# Altium PCB main_MM.PcbDoc (part 1 of 2)
Units mil, origin at the board's own origin, x right, y up, seen from the top; angles counter-clockwise.
Board outline 3012.01 x 3916.34 mil, 2 copper layers (Top Layer, Bottom Layer), stack 57.918 mil thick; 150 components, 93 nets, 477 pads, 89 vias.
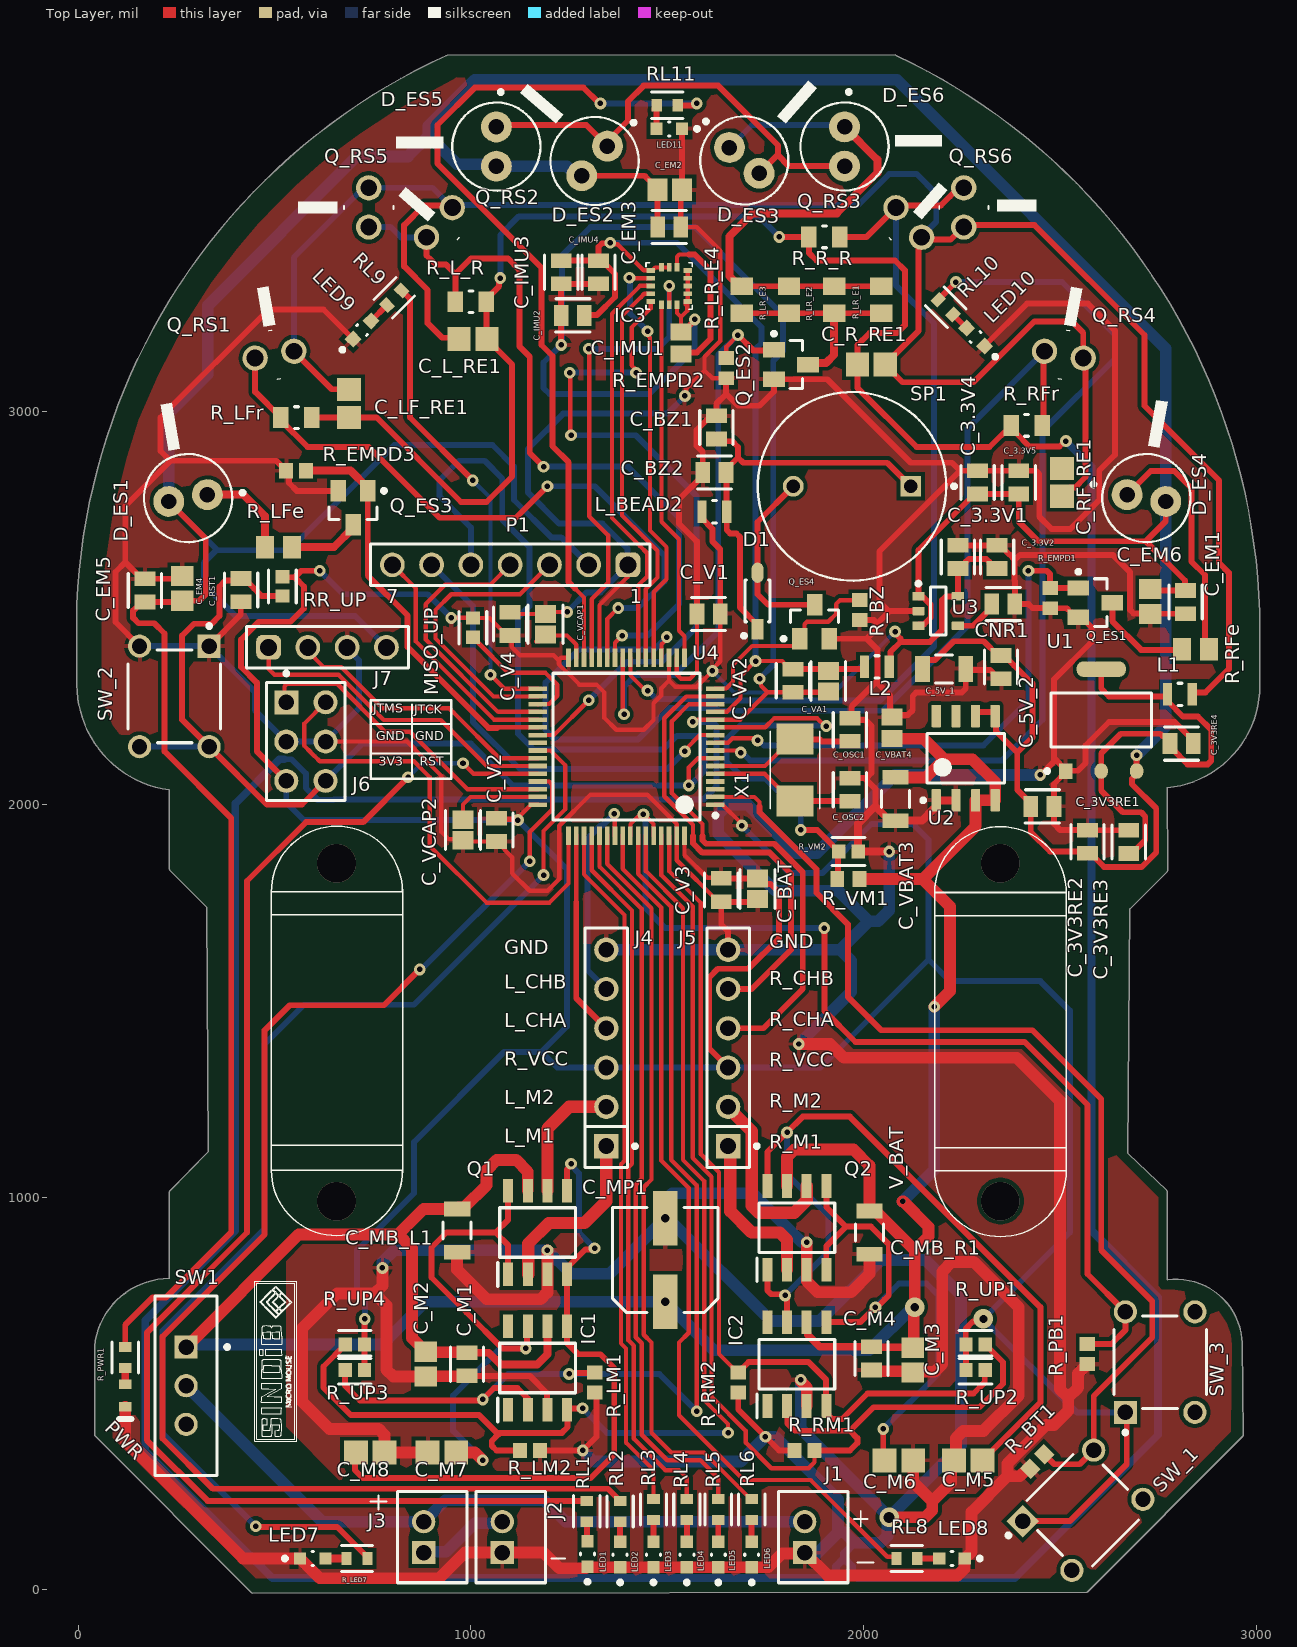
[diagram p0: Top Layer view]
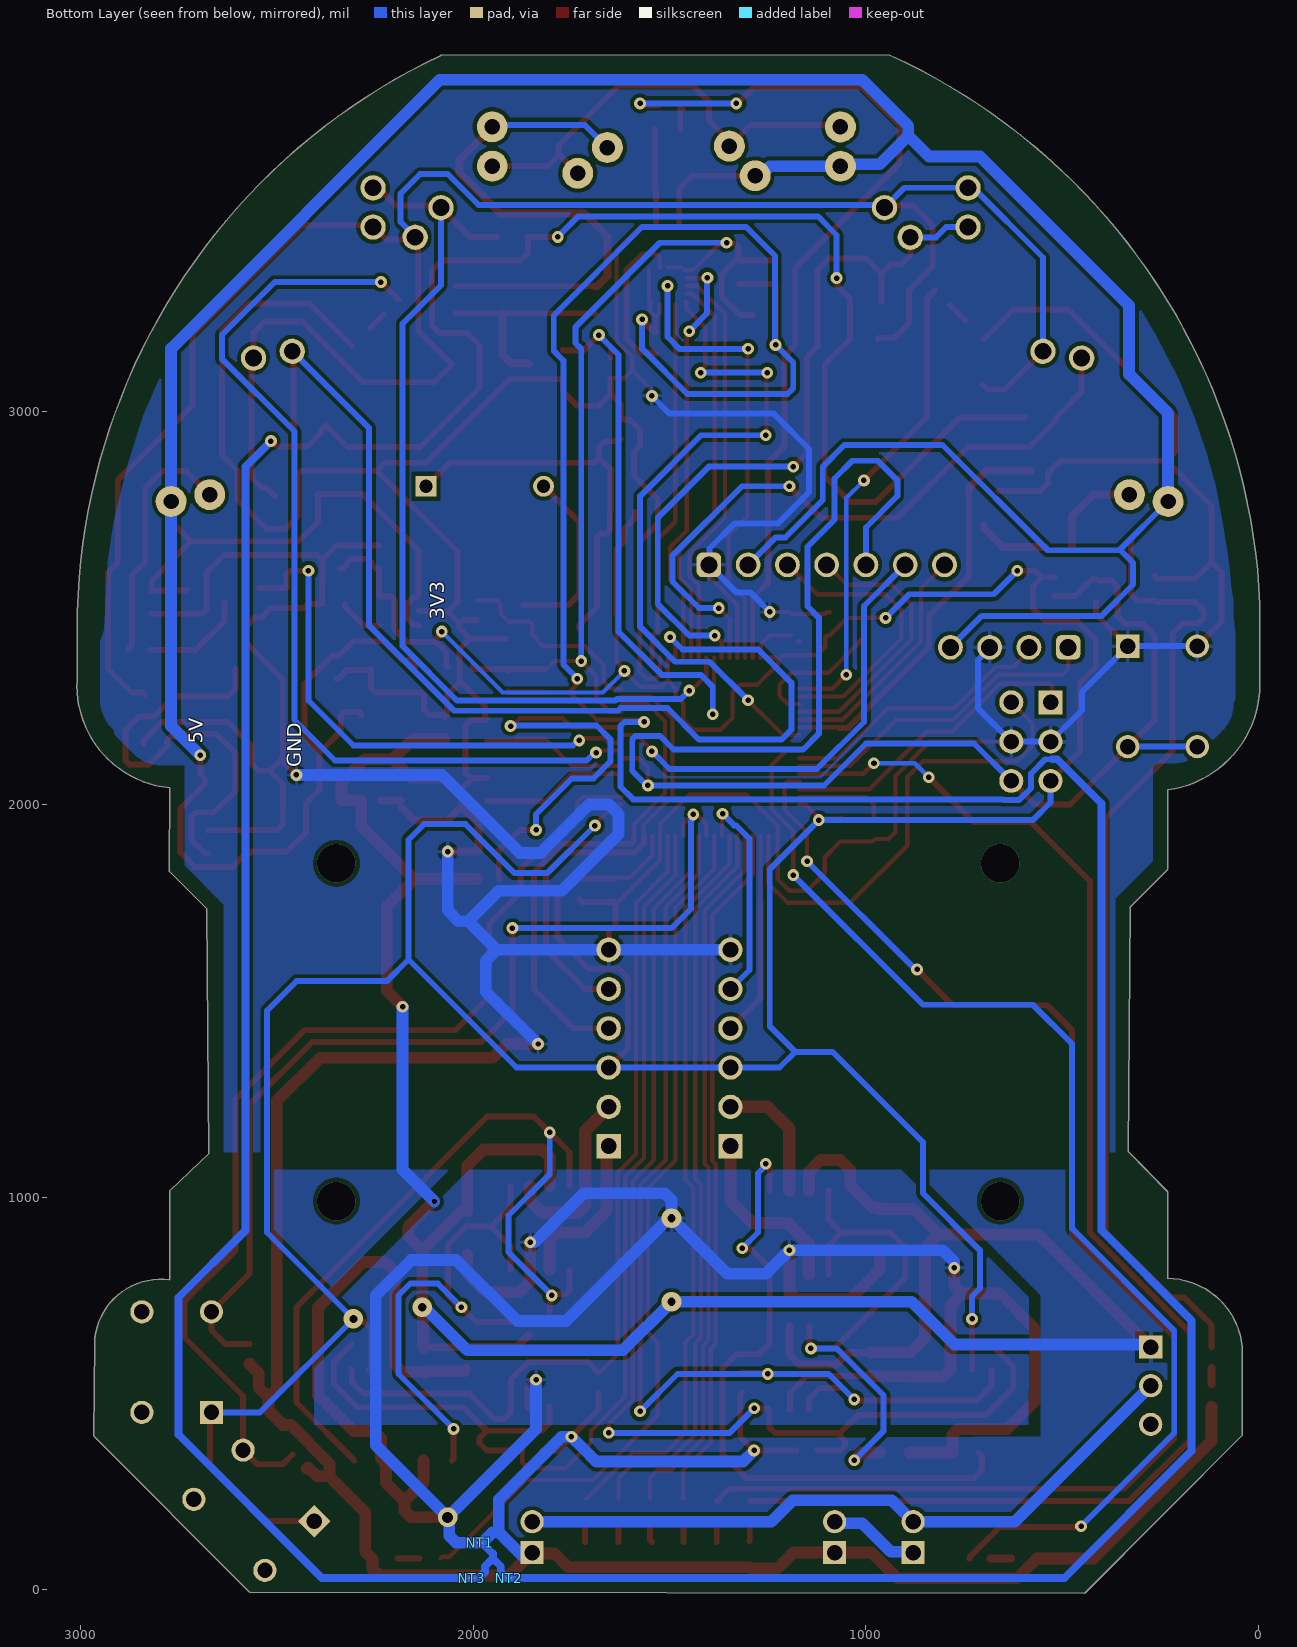
[diagram p1: Bottom Layer view, seen from below]
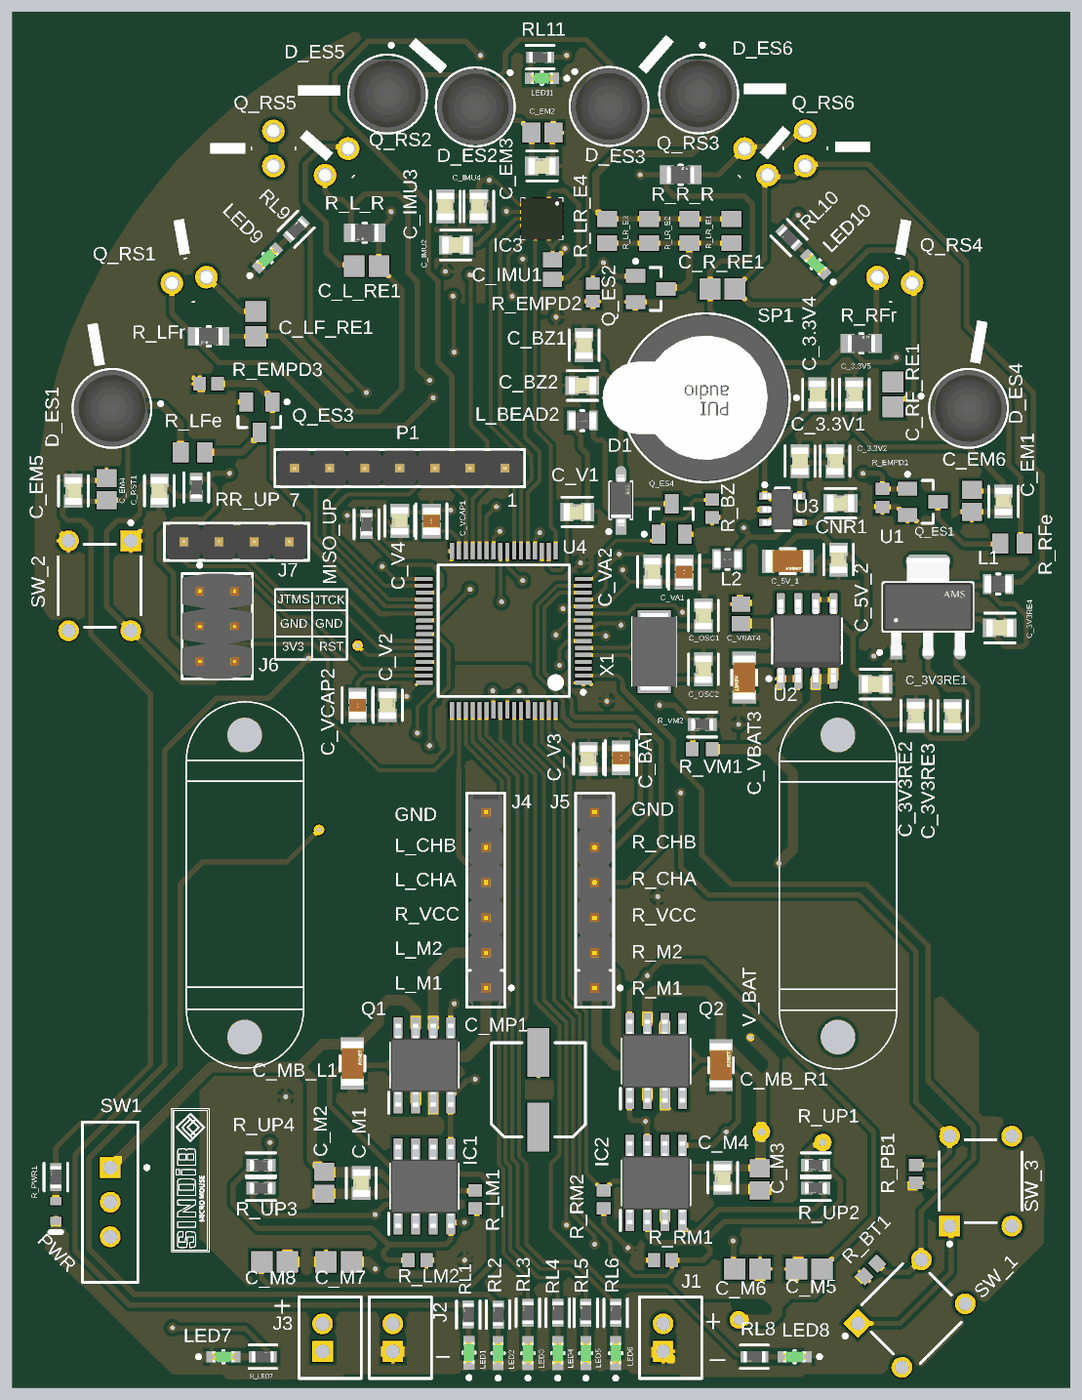
[diagram p3: 3D render of the assembled board from above, using the file's embedded part models]

## Layer stack, top to bottom
Top Solder: solder mask 0.4, Solder Resist, Dk 3.5
Top Layer: signal copper 1.4
Dielectric 1: dielectric 55.1181, FR-4, Dk 4.8
Bottom Layer: signal copper 1.4
Bottom Solder: solder mask 0.4, Solder Resist, Dk 3.5

## Board outline
42.21,393.43 42.21,618.86 42,620.31 cw(c233.23,600.81) 231.98,793.02 232.08,1013 232.94,1015.11 331.98,1116.22 326.99,1738.74 232.87,1832.87 231.98,1835 231.98,2037.34 cw(c267.29,2305.34) -3.02,2305 -3.01,2506.87 -3.01,2510.13 cw(c1605.49,2441.94) 937.58,3906.8 940,3908.01 2081.02,3908.32 2083.77,3906.55 cw(c1392.94,2446.02) 3008.01,2490.08 3008.01,2490 3008.01,2330 3008,2325.26 cw(c2747.49,2302.5) 3009,2302.5 cw(c2747.5,2302.5) 2773,2042.25 2773.03,2041.84 2774.29,1831.43 2773.4,1829.25 2678,1733.74 2673.03,1111.28 2772.08,1017.19 2773.01,1015 2773.01,790 2772.91,789.22 cw(c2796.24,623.02) 2964.01,627.51 2964.01,627.45 2966.23,393.26 2965.35,391.1 2570.59,-4.6 2568.46,-5.49 443.66,-8.02 441.52,-7.13

## Design rules (kind name [scope] priority, off if disabled: settings)
BoardOutlineClearance [All] p1: gap=10 ignorepadtopadclearanceinfootprint=FALSE except(0: Arc-SplitContinuation Track-SplitContinuation SMDPad-SplitContinuation THPad-SplitContinuation Via-SplitContinuation Fill-SplitContinuation Poly-SplitContinuation Region-SplitContinuation Text-SplitContinuation; 11.81: Arc-OutlineEdge Track-OutlineEdge SMDPad-OutlineEdge THPad-OutlineEdge Via-OutlineEdge Fill-OutlineEdge Poly-OutlineEdge Region-OutlineEdge)
Clearance Plane_All [InPolygon] p1: gap=10 ignorepadtopadclearanceinfootprint=FALSE
Clearance Plane_Plane_Clearance [InPolygon vs InPolygon] p2: gap=20 ignorepadtopadclearanceinfootprint=FALSE
Clearance NetTie [InNet('MGND') or InNet('AGND') or InNet('AGND2') vs InNet('GND')] p3: gap=0 ignorepadtopadclearanceinfootprint=FALSE
Clearance Clearance_1 [All] p4: gap=10 ignorepadtopadclearanceinfootprint=FALSE except(5: SMDPad-SMDPad; 7.87: Arc-Arc Arc-Track Track-Track; 8: Arc-SMDPad Track-SMDPad; 12.99: Arc-Via Track-Via; 19.68: THPad-THPad)
HoleSize [All] p1: absolutevalues=TRUE maxlimit=236.22 minlimit=7.87 maxpercent=80.000 minpercent=20.000
HoleToHoleClearance [All] p1: gap=19.68 allowstackedmicrovias=TRUE
PolygonConnect [All] p1: connectstyle=Relief reliefconductorwidth=10 reliefentries=4 polygonreliefangle="90 Angle" airgapwidth=10
RoutingVias [All] p1: holewidth=14 width=30 viastyle="Through Hole" minholewidth=14 minwidth=30 maxholewidth=40 maxwidth=60
SilkToSolderMaskClearance [IsPad] p1: minsilkscreentomaskgap=5.91 clearancetoexposedcopper=TRUE
SolderMaskExpansion [All] p1: expansion=4 istentingtop=FALSE
Width Width_P [InNet('MOTOR_L_IN1') OR InNet('MOTOR_L_IN2') OR InNet('MOTOR_R_IN1') OR InNet('MOTOR_R_IN2')] p1: maxlimit=31.5 minlimit=31.5 preferedwidth=31.5
Width [All] p2: maxlimit=30 minlimit=11 preferedwidth=15 minimp=50.000000 maximp=50.000000 favimp=50.000000
27 further rules are at their usual default settings.

## Classes and differential pairs
component class sensors: C_BZ1 C_BZ2 C_EM1 C_EM2 C_EM3 C_EM4 C_EM5 C_EM6 C_IMU1 C_IMU2 C_IMU3 C_IMU4 C_L_RE1 C_LF_RE1 C_R_RE1 C_RF_RE1 D1 D_ES1 D_ES2 D_ES3 D_ES4 D_ES5 D_ES6 IC3 L_BEAD2 Q_ES1 Q_ES2 Q_ES3 Q_ES4 Q_RS1 Q_RS2 Q_RS3 Q_RS4 Q_RS5 Q_RS6 R_BZ R_EMPD1 R_EMPD2 R_EMPD3 R_L_R R_LFe R_LFr R_LR_E1 R_LR_E2 R_LR_E3 R_LR_E4 R_R_R R_RFe R_RFr SP1
component class power: C_3.3V1 C_3.3V2 C_3.3V4 C_3.3V5 C_3V3RE1 C_3V3RE2 C_3V3RE3 C_3V3RE4 C_5V_1 C_5V_2 C_MP1 C_VBAT3 C_VBAT4 CNR1 J1 J2 J3 L1 L2 LED1 LED2 LED3 LED4 LED5 LED6 LED7 LED8 LED9 LED10 LED11 NT1 NT2 NT3 P1 PWR R_BT1 R_LED7 R_PWR1 R_VM1 R_VM2 RL1 RL2 RL3 RL4 RL5 RL6 RL8 RL9 RL10 RL11 SW1 SW_1 U1 U2 U3
component class motor: C_M1 C_M2 C_M3 C_M4 C_M5 C_M6 C_M7 C_M8 C_MB_L1 C_MB_R1 IC1 IC2 J4 J5 Q1 Q2 R_LM1 R_LM2 R_RM1 R_RM2 R_UP1 R_UP2 R_UP3 R_UP4
component class main_controller: C_BAT C_OSC1 C_OSC2 C_RST1 C_V1 C_V2 C_V3 C_V4 C_VA1 C_VA2 C_VCAP1 C_VCAP2 J6 J7 MISO_UP R_PB1 RR_UP SW_2 SW_3 U4 X1

## Components (designator, comment, footprint, x,y, rotation, side; value= is the part's Value field where it differs from the comment)
C_3.3V1 "C0805C106K8PACTU" FP-C0805C-DG-MFG 2240,2630 r90 top locked value=10uF
C_3.3V2 "C0805C104J8RACTU" FP-C0805C-DN-MFG 2340,2630 r90 top locked value=0.1μF
C_3.3V4 "C0805C106K8PACTU" FP-C0805C-DG-MFG 2290,2820 r90 top locked value=10uF
C_3.3V5 "C0805C104J8RACTU" FP-C0805C-DN-MFG 2395,2820 r90 top locked value=0.1μF
C_3V3RE1 "C0805C106K8PACTU" FP-C0805C-DG-MFG 2455,1995 r0 top locked value=10uF
C_3V3RE2 "C0805C104J8RACTU" FP-C0805C-DN-MFG 2570,1905 r90 top locked value=0.1μF
C_3V3RE3 "C0805C104J8RACTU" FP-C0805C-DN-MFG 2675,1904.53 r90 top locked value=0.1μF
C_3V3RE4 "C0805C106K8PACTU" FP-C0805C-DG-MFG 2809.53,2155 r0 top locked value=10uF
C_5V_1 "C1206C107M9PACTU" FP-C1206C-EH-MFG 2205,2345 r0 top locked value=100uF
C_5V_2 "C0805C104J8RACTU" FP-C0805C-DN-MFG 2350,2349.53 r270 top locked value=0.1μF
C_BAT "C2012X5R1H225K125AB" FP-C2012-125-0_2-IPC_C 1730,1785 r270 top locked
C_BZ1 "C0805C106K8PACTU" FP-C0805C-DG-MFG 1625,2960 r90 top locked value=10uF
C_BZ2 "C0805C104J8RACTU" FP-C0805C-DN-MFG 1620,2845 r180 top locked value=0.1μF
C_EM1 "C0805C104J8RACTU" FP-C0805C-DN-MFG 2820,2515 r270 top locked value=0.1μF
C_EM2 "C0805C475M3PACTU" CAPC2013X145X50NL20T25 1506.5,3565 r180 top locked value=4.7uF
C_EM3 "C0805C104J8RACTU" FP-C0805C-DN-MFG 1505,3470 r0 top locked value=0.1μF
C_EM4 "C0805C475M3PACTU" CAPC2013X145X50NL20T25 265,2550 r270 top locked value=4.7uF
C_EM5 "C0805C104J8RACTU" FP-C0805C-DN-MFG 170,2545 r90 top locked value=0.1μF
C_EM6 "C0805C475M3PACTU" CAPC2013X145X50NL20T25 2730,2516.5 r90 top locked value=4.7uF
C_IMU1 "C0805C103K5RACTU" CAPC2013X88X50LL20T25 1535,3175 r270 top locked value=0.01uF
C_IMU2 "C0805C106K8PACTU" FP-C0805C-DG-MFG 1259.53,3245 r180 top locked value=10uF
C_IMU3 "C0805C104J8RACTU" FP-C0805C-DN-MFG 1230,3355 r270 top locked value=0.1μF
C_IMU4 "C0805C104J8RACTU" FP-C0805C-DN-MFG 1325,3355 r270 top locked value=0.1μF
C_L_RE1 "C0805C225K9PACTU" CAPC2013X145X50ML20T25 1005.43,3185 r180 top locked value=2.2uF
C_LF_RE1 "C0805C225K9PACTU" CAPC2013X145X50ML20T25 690,3020.87 r90 top locked value=2.2uF
C_M1 "C0805C104J8RACTU" FP-C0805C-DN-MFG 990,574.53 r90 top locked value=0.1μF
C_M2 "C0805C475M3PACTU" CAPC2013X145X50NL20T25 885,575 r270 top locked value=4.7uF
C_M3 "C0805C475M3PACTU" CAPC2013X145X50NL20T25 2125,585 r270 top locked value=4.7uF
C_M4 "C0805C104J8RACTU" FP-C0805C-DN-MFG 2020,589.53 r90 top locked value=0.1μF
C_M5 "08051C152KAT2A" CAPC2013X94X50ML20T25 2266.42,330 r180 top locked value=1.5nF
C_M6 "08051C152KAT2A" CAPC2013X94X50ML20T25 2090,330 r0 top locked value=1.5nF
C_M7 "08051C152KAT2A" CAPC2013X94X50ML20T25 926.42,350 r180 top locked value=1.5nF
C_M8 "08051C152KAT2A" CAPC2013X94X50ML20T25 743.58,350 r0 top locked value=1.5nF
C_MB_L1 "C1206C107M9PACTU" FP-C1206C-EH-MFG 965,915 r90 top locked value=100uF
C_MB_R1 "C1206C107M9PACTU" FP-C1206C-EH-MFG 2015,909.88 r90 top locked value=100uF
C_MP1 "UUD1A221MCL1GS" NIC-CAPA2-6.3X7.7_V 1495,840 r90 top locked value=220uF
C_OSC1 "C0805C100K5GACTU" FP-C0805C-DN-MFG 1965,2190 r90 top locked value="10 pF"
C_OSC2 "C0805C100K5GACTU" FP-C0805C-DN-MFG 1965,2037.36 r90 top locked value="10 pF"
C_R_RE1 "C0805C225K9PACTU" CAPC2013X145X50ML20T25 2019.57,3120 r0 top locked value=2.2uF
C_RF_RE1 "C0805C225K9PACTU" CAPC2013X145X50ML20T25 2505,2820 r270 top locked value=2.2uF
C_RST1 "C0805C104J8RACTU" FP-C0805C-DN-MFG 415,2545.47 r270 top locked value=0.1μF
C_V1 "C0805C104J8RACTU" FP-C0805C-DN-MFG 1605.47,2485 r0 top locked value=0.1μF
C_V2 "C0805C104J8RACTU" FP-C0805C-DN-MFG 1065,1935 r270 top locked value=0.1μF
C_V3 "C0805C104J8RACTU" FP-C0805C-DN-MFG 1637.43,1782.11 r270 top locked value=0.1μF
C_V4 "C0805C104J8RACTU" FP-C0805C-DN-MFG 1100,2459.53 r90 top locked value=0.1μF
C_VA1 "C2012X5R1H225K125AB" FP-C2012-125-0_2-IPC_C 1910,2313.86 r270 top locked
C_VA2 "C0805C104J8RACTU" FP-C0805C-DN-MFG 1820,2315 r90 top locked value=0.1μF
C_VBAT3 "C1206C107M9PACTU" FP-C1206C-EH-MFG 2081.15,2013.73 r270 top locked value=100uF
C_VBAT4 "C0805C105K4PACTU" CAPC2013X145X50LL20T25 2072.29,2195 r270 top locked value=0.1uF
C_VCAP1 "C2012X5R1H225K125AB" FP-C2012-125-0_2-IPC_C 1190,2458.86 r270 top locked
C_VCAP2 "C2012X5R1H225K125AB" FP-C2012-125-0_2-IPC_C 980,1935 r90 top locked
CNR1 "C0805C104J8RACTU" FP-C0805C-DN-MFG 2355.66,2510 r0 top locked value=0.1μF
D1 "1N4148W-TP" FP-SOD-123-IPC_A 1730,2518.15 r90 top locked value=1N4148W
D_ES1 "Emitter" FP-SFH_4556-MFG 280,2780 r190 top locked
D_ES2 "Emitter" FP-SFH_4556-MFG 1315,3638.3 r229 top locked
D_ES3 "Emitter" FP-SFH_4556-MFG 1696.14,3639.71 r319 top locked
D_ES4 "Emitter" FP-SFH_4556-MFG 2720,2780 r350 top locked
D_ES5 "Emitter" FP-SFH_4556-MFG 1065,3675 r270 top locked
D_ES6 "Emitter" FP-SFH_4556-MFG 1951.44,3675.22 r270 top locked
IC1 "TC4427ACOA" SOIC127P600X175-8N 1170,565 r90 top locked
IC2 "TC4427ACOA" SOIC127P600X175-8N 1830,575 r90 top locked
IC3 "L3GD20HTR" H3LIS100DLTR 1505,3320 r0 top locked
J1 "B2B-PH-K-S(LF)(SN)" JST-B2B-PH-K-S_V 1871.65,134.37 r90 top locked
J2 "B2B-PH-K-S(LF)(SN)" JST-B2B-PH-K-S_V 1101.65,134.37 r90 top locked
J3 "B2B-PH-K-S(LF)(SN)" JST-B2B-PH-K-S_V 901.65,134.37 r90 top locked
J4 "22-28-4063" FP-22-28-4063-MFG 1345,1380 r90 top locked
J5 "22-28-4063" FP-22-28-4063-MFG 1655,1380 r90 top locked
J6 "90131-0763" FP-90131-0763-MFG 580,2160 r270 top locked
J7 "61300411121" 61300411121 635,2400 r0 top locked
L1 "LBR2012T100K" FP-LB2012-1_25-0_2-MFG 2805,2280 r0 top locked value=10uH
L2 "LBR2012T100K" FP-LB2012-1_25-0_2-MFG 2033.5,2350 r180 top locked value=10uH
L_BEAD2 "LBR2012T100K" FP-LB2012-1_25-0_2-MFG 1620,2745 r180 top locked value=10uH
LED1 "SML-D12M1WT86" FP-SML-D12-MFG 1297.05,91.34 r90 top locked
LED2 "SML-D12M1WT86" FP-SML-D12-MFG 1380,90 r90 top locked
LED3 "SML-D12M1WT86" FP-SML-D12-MFG 1465,90 r90 top locked
LED4 "SML-D12M1WT86" FP-SML-D12-MFG 1550,90 r90 top locked
LED5 "SML-D12M1WT86" FP-SML-D12-MFG 1630,90 r90 top locked
LED6 "SML-D12M1WT86" FP-SML-D12-MFG 1715,90 r90 top locked
LED7 "SML-D12M1WT86" FP-SML-D12-MFG 597.52,80 r0 top locked
LED8 "SML-D12M1WT86" FP-SML-D12-MFG 2225,80 r180 top locked
LED9 "SML-D12M1WT86" FP-SML-D12-MFG 722.97,3207.97 r45 top locked
LED10 "SML-D12M1WT86" FP-SML-D12-MFG 2285,3190 r135 top locked
LED11 "SML-D12M1WT86" FP-SML-D12-MFG 1505,3720 r180 top locked
MISO_UP "ERA-3AEB103V" FP-ERA3A-IPC_C 1005,2450 r90 top locked value=10kΩ
NT1 "NT" NETTIE_SMD 1983.32,119.97 r180 bottom locked net-tie
NT2 "NT" NETTIE_SMD 1908.83,29.97 r180 bottom locked net-tie
NT3 "NT" NETTIE_SMD 2004.26,30.03 r0 bottom locked net-tie
P1 "61300711121" 61300711121 1100,2610 r180 top locked
PWR "TLMS1100-GS08" VISH-TLMX1100_V 120,495 r270 top locked (schematic designator PWR_LED)
Q1 "ZXMHC3F381N8TC" SOIC127P600X175-8N 1170,910 r90 top locked
Q2 "ZXMHC3F381N8TC" SOIC127P600X175-8N 1830,921.77 r90 top locked
Q_ES1 "FDV303N" FAIR-FDV303N-3_V 2590,2513.68 r0 top locked
Q_ES2 "FDV303N" FAIR-FDV303N-3_V 1815,3120 r0 top locked
Q_ES3 "FDV303N" FAIR-FDV303N-3_V 700,2755 r270 top locked
Q_ES4 "FDV303N" FAIR-FDV303N-3_V 1875,2465 r90 top locked
Q_RS1 "TEFT4300" TEFT4300 500,3145 r10 top locked
Q_RS2 "TEFT4300" TEFT4300 920,3481.7 r49 top locked
Q_RS3 "TEFT4300" TEFT4300 2115,3481.7 r311 top locked
Q_RS4 "TEFT4300" TEFT4300 2510,3145 r350 top locked
Q_RS5 "TEFT4300" TEFT4300 740,3520 r90 top locked
Q_RS6 "TEFT4300" TEFT4300 2255,3520 r270 top locked
R_BT1 "ERA3AEB433V" RESC1608X55X30NL20T20 2441.9,326.9 r45 top locked value=43kΩ
R_BZ "ERA3AEB433V" RESC1608X55X30NL20T20 1990,2495 r90 top locked value=43kΩ (schematic designator R_BZPD)
R_EMPD1 "ERA3AEB433V" RESC1608X55X30NL20T20 2475,2525 r90 top locked value=43kΩ
R_EMPD2 "ERA3AEB433V" RESC1608X55X30NL20T20 1650,3110.59 r90 top locked value=43kΩ
R_EMPD3 "ERA3AEB433V" RESC1608X55X30NL20T20 555,2850 r0 top locked value=43kΩ
R_L_R "Y11721K80000T0R" FP-RN732A-MFG 1000,3280 r180 top locked value=1.8kΩ
R_LED7 "RC0603FR-071KL" FP-RC0603-0_55-IPC_C 710,80 r0 top locked value=1k
R_LFe "ERJ-6ENF10R0V" RESC2013X70X40NL20T20 510,2655 r180 top locked value=10Ω (schematic designator R_LF_E)
R_LFr "Y11721K80000T0R" FP-RN732A-MFG 555.63,2985 r180 top locked value=1.8kΩ (schematic designator R_LF_R)
R_LM1 "ERA3AEB433V" RESC1608X55X30NL20T20 1315,528.19 r90 top locked value=43kΩ
R_LM2 "ERA3AEB433V" RESC1608X55X30NL20T20 1150.59,355 r180 top locked value=43kΩ
R_LR_E1 "ERJ-6ENF10R0V" RESC2013X70X40NL20T20 2045,3285 r90 top locked value=10Ω
R_LR_E2 "ERJ-6ENF10R0V" RESC2013X70X40NL20T20 1925,3285 r90 top locked value=10Ω
R_LR_E3 "ERJ-6ENF10R0V" RESC2013X70X40NL20T20 1810,3285 r90 top locked value=10Ω
R_LR_E4 "ERJ-6ENF10R0V" RESC2013X70X40NL20T20 1690,3285 r90 top locked value=10Ω
R_PB1 "ERA3AEB433V" RESC1608X55X30NL20T20 2570,600.59 r270 top locked value=43kΩ
R_PWR1 "RC0603FR-071KL" FP-RC0603-0_55-IPC_C 120,591.64 r90 top locked value=1k
R_R_R "Y11721K80000T0R" FP-RN732A-MFG 1900,3445 r0 top locked value=1.8kΩ
R_RFe "ERJ-6ENF10R0V" RESC2013X70X40NL20T20 2845,2395 r0 top locked value=10Ω (schematic designator R_RF_E)
R_RFr "Y11721K80000T0R" FP-RN732A-MFG 2415,2965 r0 top locked value=1.8kΩ (schematic designator R_RF_R)
R_RM1 "ERA3AEB433V" RESC1608X55X30NL20T20 1849.41,355 r0 top locked value=43kΩ
R_RM2 "ERA3AEB433V" RESC1608X55X30NL20T20 1680.79,528.19 r90 top locked value=43kΩ
R_UP1 "ERA-3AEB103V" FP-ERA3A-IPC_C 2285,625 r180 top locked value=10kΩ (schematic designator R_PWMUP_1)
R_UP2 "ERA-3AEB103V" FP-ERA3A-IPC_C 2285,560 r180 top locked value=10kΩ (schematic designator R_PWMUP_2)
R_UP3 "ERA-3AEB103V" FP-ERA3A-IPC_C 704.63,560 r0 top locked value=10kΩ (schematic designator R_PWMUP_3)
R_UP4 "ERA-3AEB103V" FP-ERA3A-IPC_C 704.63,625 r0 top locked value=10kΩ (schematic designator R_PWMUP_4)
R_VM1 "ERJ-3EKF2002V" RESC1608X55X30ML15T15 1961.46,1810 r0 top locked value=18kΩ
R_VM2 "ERA-3AEB103V" FP-ERA3A-IPC_C 1961.46,1880 r180 top locked value=10kΩ
RL1 "RC0603FR-071KL" FP-RC0603-0_55-IPC_C 1295.01,200.09 r90 top locked value=1k (schematic designator R_LED1)
RL2 "RC0603FR-071KL" FP-RC0603-0_55-IPC_C 1380,200 r90 top locked value=1k (schematic designator R_LED2)
RL3 "RC0603FR-071KL" FP-RC0603-0_55-IPC_C 1465,205 r90 top locked value=1k (schematic designator R_LED3)
RL4 "RC0603FR-071KL" FP-RC0603-0_55-IPC_C 1550,205 r90 top locked value=1k (schematic designator R_LED4)
RL5 "RC0603FR-071KL" FP-RC0603-0_55-IPC_C 1630,205 r90 top locked value=1k (schematic designator R_LED5)
RL6 "RC0603FR-071KL" FP-RC0603-0_55-IPC_C 1715,205 r90 top locked value=1k (schematic designator R_LED6)
RL8 "RC0603FR-071KL" FP-RC0603-0_55-IPC_C 2110,80 r180 top locked value=1k (schematic designator R_LED8)
RL9 "RC0603FR-071KL" FP-RC0603-0_55-IPC_C 805,3290 r45 top locked value=1k (schematic designator R_LED9)
RL10 "RC0603FR-071KL" FP-RC0603-0_55-IPC_C 2208.84,3266.16 r135 top locked value=1k (schematic designator R_LED10)
RL11 "RC0603FR-071KL" FP-RC0603-0_55-IPC_C 1500,3780 r0 top locked value=1k (schematic designator R_LED11)
RR_UP "ERA-3AEB103V" FP-ERA3A-IPC_C 520,2555 r90 top locked value=10kΩ (schematic designator R_RST_UP)
SP1 "AI-1223-TWT-3V-2-R" FP-AI-1223-TWT-3V-2-R-MFG 1970.39,2810 r180 top locked
SW1 "EG1218" ESWI-EG1218_V 275,520 r270 top locked
SW_1 "1825910-6" TECO-1825910-6_V 2558.11,202.84 r45 top locked
SW_2 "1825910-6" TECO-1825910-6_V 245,2275 r270 top locked
SW_3 "1825910-6" TECO-1825910-6_V 2755,580 r90 top locked
U1 "AMS1117-3.3" FP-AMS1117-IPC_C 2605,2214.72 r90 top locked value=AMS1117
U2 "TPS76850QDR" D0008A_N 2260,2117.72 r90 top locked value=TPS76850
U3 "TPS73633DBVR" DBV0005A_L 2189.8,2492.4 r0 top locked value=TPS73633
U4 "STM32F405RGT6V" STM-LQFP64_V 1396.38,2147.05 r180 top locked
X1 "NX5032GA-16.000M-LN-CD-1" NX5032GA16000000MHZLNCD1 1825,2087.48 r270 top locked
